# Allegro board RK3576_Template_LP5D315P132SD8_25x36_2400MHz_H1R0_V11_20240530YWQ.brd
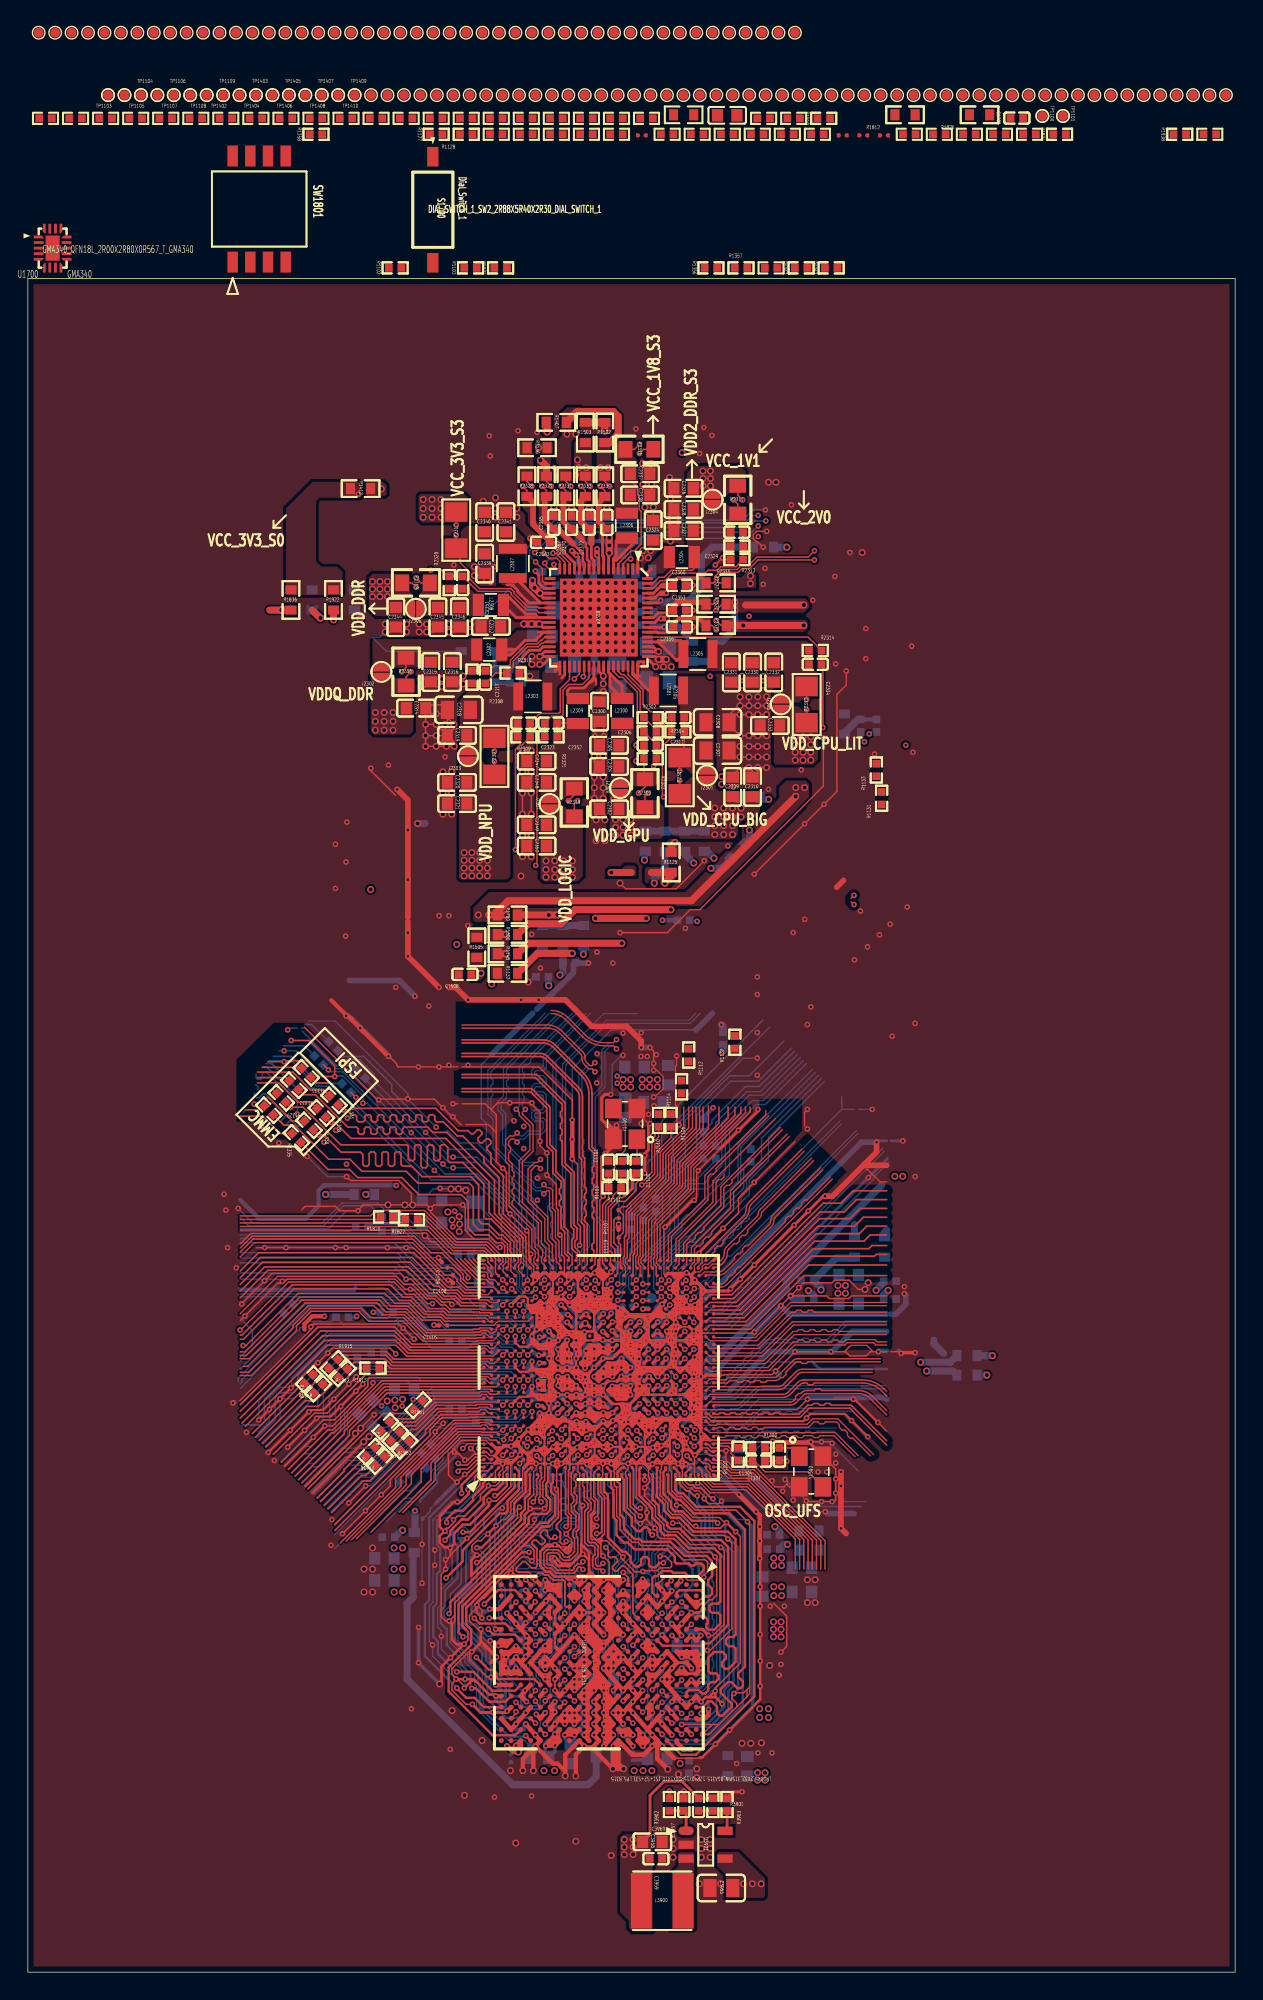
[diagram p0: board, top side]
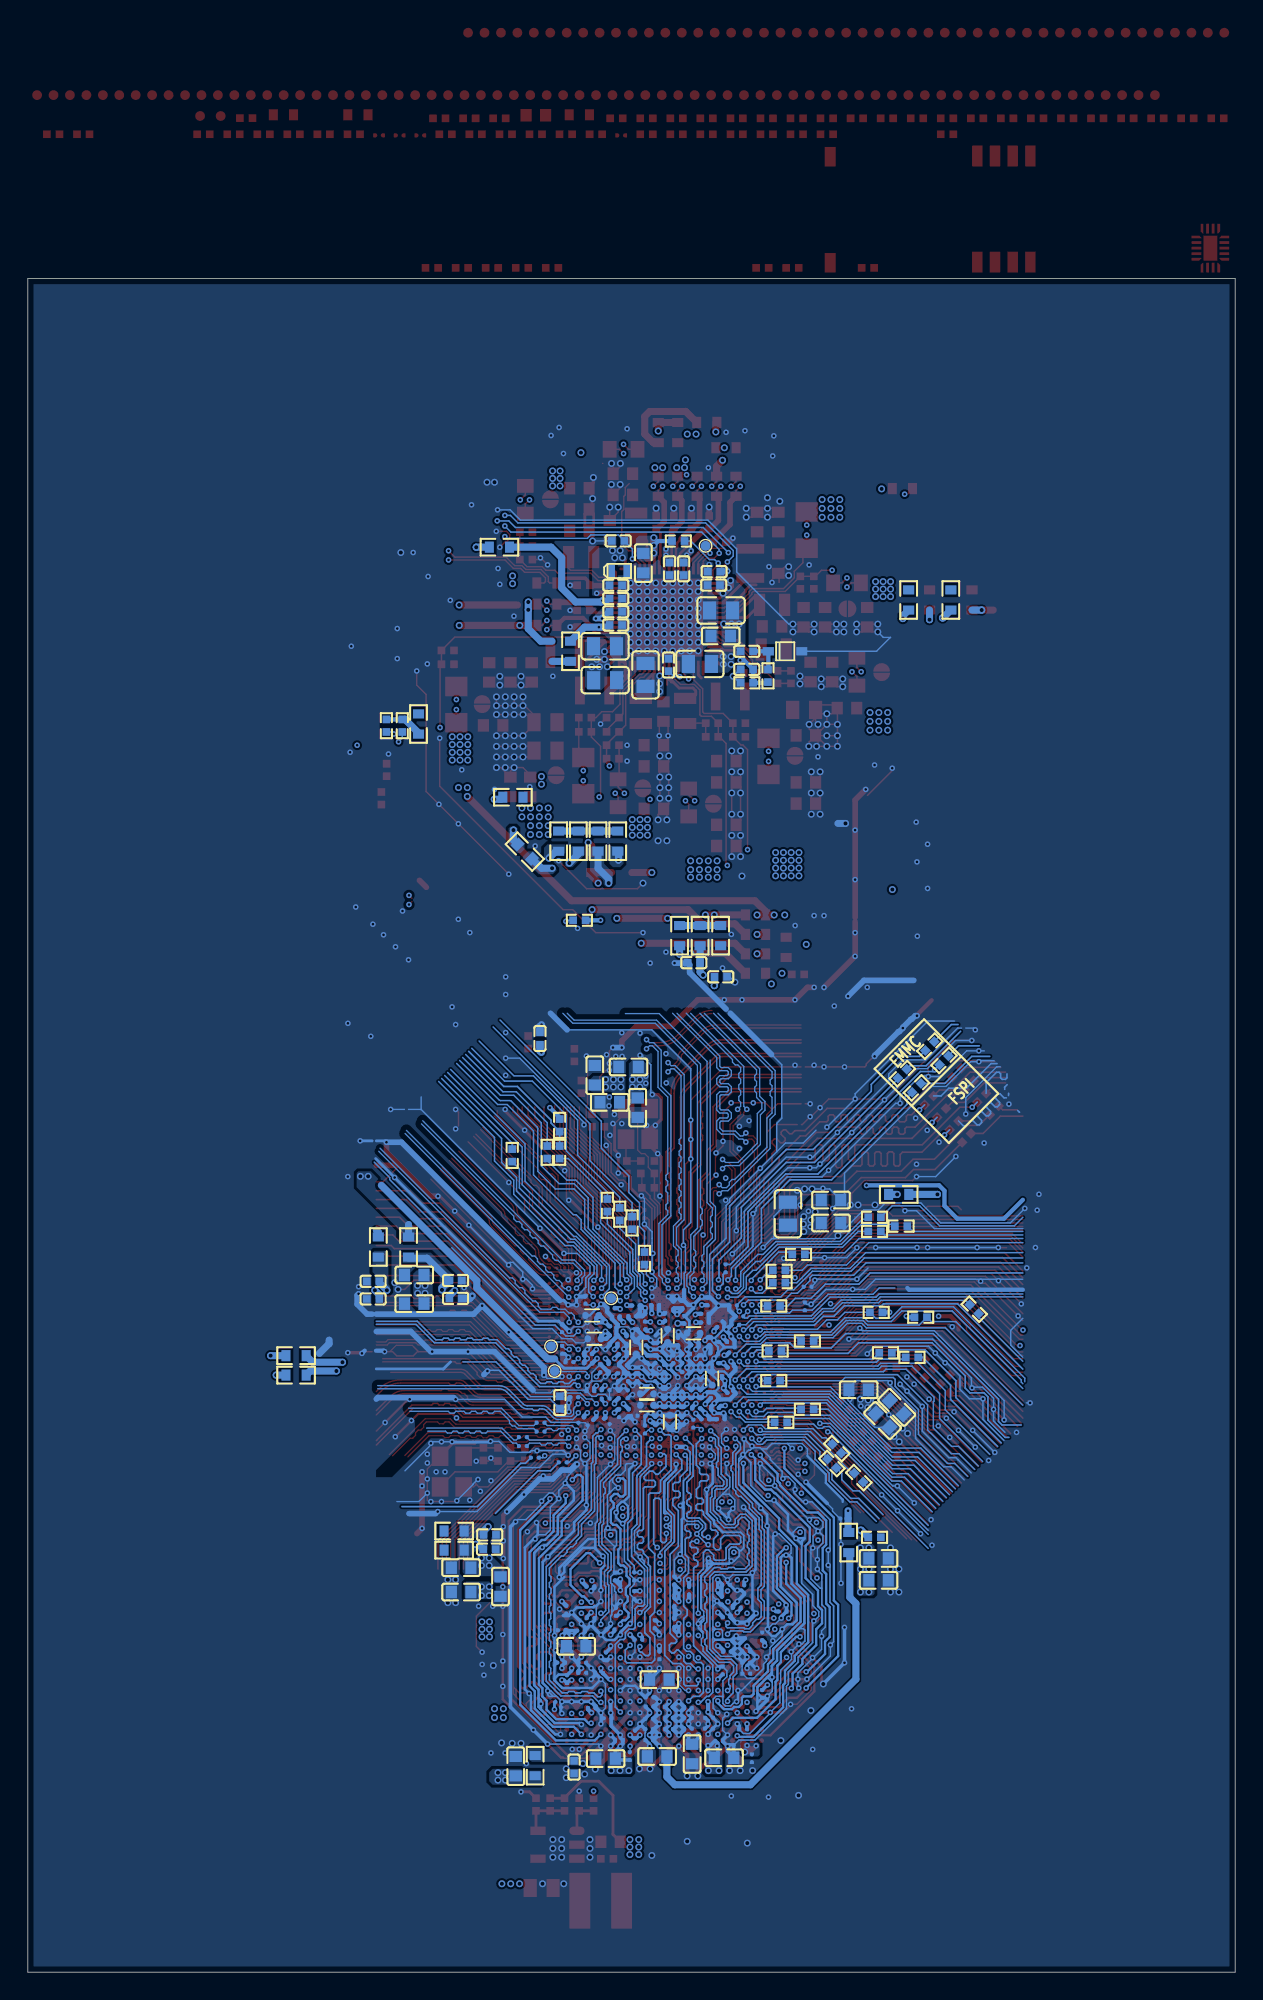
[diagram p1: board, bottom side, seen from below]

Outline 86.74 x 121.67 mm; copper layers: TOP, L2-GND, L3-POWER, L4-SIG, L5-GND, L6-SIG, L7-GND, BOTTOM. Coordinates in mm from the lower left corner of the outline.
Outline path: 0,121.67 0,0 86.74,0 86.74,121.67 0,121.67

## Design rules (mm)
net group AP627XP_PCIE_RX: nets WIFI_PCIE0_TXN WIFI_PCIE0_TXP
net group AP627XP_PCIE_TX: nets WIFI_PCIE0_RXN WIFI_PCIE0_RXP
net group AP627XP_REFCLK: nets WIFI_PCIE0_REFCLKN WIFI_PCIE0_REFCLKP
net group CLK0: nets PCIE1_REFCLKN PCIE1_REFCLKP
net group CON0_TX0_CLK: nets MIPI_DPHY_DSI_TX_CLKN MIPI_DPHY_DSI_TX_CLKP
net group CON0_TX0_D0: nets MIPI_DPHY_DSI_TX_D0N MIPI_DPHY_DSI_TX_D0P
net group CON0_TX0_D1: nets MIPI_DPHY_DSI_TX_D1N MIPI_DPHY_DSI_TX_D1P
net group CON0_TX0_D2: nets MIPI_DPHY_DSI_TX_D2N MIPI_DPHY_DSI_TX_D2P
net group CON0_TX0_D3: nets MIPI_DPHY_DSI_TX_D3N MIPI_DPHY_DSI_TX_D3P
net group DP_AUX: nets DP_TX_AUXN DP_TX_AUXP
net group EMMC_CMD: nets EMMC_CMD FSPI0_RSTN/EMMC_CMD
net group EMMC_D0: nets EMMC_D0 FSPI0_D0/EMMC_D0
net group EMMC_D1: nets EMMC_D1 FSPI0_D1/EMMC_D1
net group EMMC_D2: nets EMMC_D2 FSPI0_D2/EMMC_D2
net group EMMC_D3: nets EMMC_D3 FSPI0_D3/EMMC_D3
net group EMMC_D4: nets EMMC_D4 FSPI0_D4/EMMC_D4
net group EMMC_D5: nets EMMC_D5 FSPI0_D5/EMMC_D5
net group EMMC_D6: nets EMMC_D6 FSPI0_D6/EMMC_D6
net group EMMC_D7: nets EMMC_D7 FSPI0_D7/EMMC_D7
net group EMMC_DATA_STROBE: nets EMMC_DATA_STROBE FSPI0_DQS/EMMC_STRB
net group EMMC_RSTN: nets EMMC_RSTN FSPI0_CSN0/EMMC_RSTN
net group GMAC0_TXCLK_M0: nets GMAC0_TXCLK_M0 GPIO3_B6_D
net group GMAC0_TXCTL_M0: nets GMAC0_TXCTL_M0 GPIO3_B3_D
net group GMAC0_TXD0_M0: nets GMAC0_TXD0_M0 GPIO3_B5_D
net group GMAC0_TXD1_M0: nets GMAC0_TXD1_M0 GPIO3_B4_D
net group GMAC0_TXD2_M0: nets GMAC0_TXD2_M0 GPIO3_C3_D
net group GMAC0_TXD3_M0: nets GMAC0_TXD3_M0 GPIO3_C2_D
net group GMAC1_TXCLK_M0: nets GMAC1_TXCLK_M0 GPIO2_C5_D
net group GMAC1_TXCTL_M0: nets GMAC1_TXCTL_M0 GPIO2_D0_D
net group GMAC1_TXD0_M0: nets GMAC1_TXD0_M0 GPIO2_C6_D
net group GMAC1_TXD1_M0: nets GMAC1_TXD1_M0 GPIO2_C7_D
net group GMAC1_TXD2_M0: nets GMAC1_TXD2_M0 GPIO2_C3_D
net group GMAC1_TXD3_M0: nets GMAC1_TXD3_M0 GPIO2_C4_D
net group HDMI_TX0: nets HDMI_TX_D0N HDMI_TX_D0P
net group HDMI_TX1: nets HDMI_TX_D1N HDMI_TX_D1P
net group HDMI_TX2: nets HDMI_TX_D2N HDMI_TX_D2P
net group HDMI_TX3: nets HDMI_TX_D3N HDMI_TX_D3P
net group HDMITX_SBD: nets HDMI_TX_SBDN HDMI_TX_SBDP
net group LPDDR4_CLK_A: nets LPDDR5_CLKN_A LPDDR5_CLKP_A
net group LPDDR4_CLK_B: nets LPDDR5_CLKN_B LPDDR5_CLKP_B
net group LPDDR4_DQS0_A: nets LPDDR5_RDQS0N_A LPDDR5_RDQS0P_A
net group LPDDR4_DQS0_B: nets LPDDR5_RDQS0N_B LPDDR5_RDQS0P_B
net group LPDDR4_DQS1_A: nets LPDDR5_RDQS1N_A LPDDR5_RDQS1P_A
net group LPDDR4_DQS1_B: nets LPDDR5_RDQS1N_B LPDDR5_RDQS1P_B
net group LPDDR5_A_WCK0: nets LPDDR5_WCK0N_A LPDDR5_WCK0P_A
net group LPDDR5_A_WCK1: nets LPDDR5_WCK1N_A LPDDR5_WCK1P_A
net group LPDDR5_B_WCK0: nets LPDDR5_WCK0N_B LPDDR5_WCK0P_B
net group LPDDR5_B_WCK1: nets LPDDR5_WCK1N_B LPDDR5_WCK1P_B
net group M_DPHY_RX: nets MIPI_DPHY_CSI0_RX_D1P/MIPI_CPHY_CSI_RX_TRIO1_A MIPI_DPHY_CSI0_RX_D3P/NO_USE
net group M_MIPI_CPHY_RX_TRIO_A: nets MIPI_DPHY_CSI0_RX_D0N/MIPI_CPHY_CSI_RX_TRIO0_A MIPI_DPHY_CSI0_RX_D0P/MIPI_CPHY_CSI_RX_TRIO0_B
net group MIPI_CSI2_CLK1: nets MIPI_DPHY_CSI2_RX_CLKN MIPI_DPHY_CSI2_RX_CLKP
net group MIPI_CSI3/4_D2: nets MIPI_DPHY_CSI3_RX_D2N/MIPI_DPHY_CSI4_RX_D0N MIPI_DPHY_CSI3_RX_D2P/MIPI_DPHY_CSI4_RX_D0P
net group MIPI_CSI3/4_D3: nets MIPI_DPHY_CSI3_RX_D3N/MIPI_DPHY_CSI4_RX_D1N MIPI_DPHY_CSI3_RX_D3P/MIPI_DPHY_CSI4_RX_D1P
net group MIPI_CSI3_CLK: nets MIPI_DPHY_CSI3_RX_CLKN MIPI_DPHY_CSI3_RX_CLKP
net group MIPI_CSI3_D0: nets MIPI_DPHY_CSI3_RX_D0N MIPI_DPHY_CSI3_RX_D0P
net group MIPI_CSI3_D1: nets MIPI_DPHY_CSI3_RX_D1N MIPI_DPHY_CSI3_RX_D1P
net group MIPI_CSI4_CLK: nets MIPI_DPHY_CSI4_RX_CLKN MIPI_DPHY_CSI4_RX_CLKP
net group PCIE21_1_RX: nets PCIE1_RXN PCIE1_RXP
net group PCIE21_1_RX/USB3_HOST1_SSRX: nets PCIE1_RXN/USB3_HOST1_SSRXN PCIE1_RXP/USB3_HOST1_SSRXP
net group PCIE21_1_TX: nets PCIE1_TXN PCIE1_TXP
net group PCIE21_1_TX/USB3_HOST1_SSTX: nets PCIE1_TXN/USB3_HOST1_SSTXN PCIE1_TXP/USB3_HOST1_SSTXP
net group SDMMC0_CMD: nets SDMMC0_CMD SDMMC0_CMD/UART5_RX_M2/I2C5_SDA_M0
net group SDMMC0_D0: nets SDMMC0_D0 SDMMC0_D0/CAN0_RX_M0
net group SDMMC0_D1: nets SDMMC0_D1 SDMMC0_D1/CAN0_TX_M0
net group SDMMC0_D2: nets SDMMC0_D2 SDMMC0_D2/JTAG_TCK_M0
net group SDMMC0_D3: nets SDMMC0_D3 SDMMC0_D3/JTAG_TMS_M0
net group TYPEC0_D: nets USB2_OTG0_DM USB2_OTG0_DP
net group TYPEC_RX1: nets USB3_OTG0_SSRX1N/DP_TX_D0N USB3_OTG0_SSRX1P/DP_TX_D0P
net group TYPEC_RX2: nets USB3_OTG0_SSRX2N/DP_TX_D2N USB3_OTG0_SSRX2P/DP_TX_D2P
net group TYPEC_TX1: nets USB3_OTG0_SSTX1N/DP_TX_D1N USB3_OTG0_SSTX1P/DP_TX_D1P
net group TYPEC_TX2: nets USB3_OTG0_SSTX2N/DP_TX_D3N USB3_OTG0_SSTX2P/DP_TX_D3P
net group UFS_RX0N: nets UFS_RX0N UFS_RX_D0N
net group UFS_RX0P: nets UFS_RX0P UFS_RX_D0P
net group UFS_RX1N: nets UFS_RX1N UFS_RX_D1N
net group UFS_RX1P: nets UFS_RX1P UFS_RX_D1P
net group UFS_TX0N: nets UFS_TX0N UFS_TX_D0N
net group UFS_TX0P: nets UFS_TX0P UFS_TX_D0P
net group UFS_TX1N: nets UFS_TX1N UFS_TX_D1N
net group UFS_TX1P: nets UFS_TX1P UFS_TX_D1P
net group USB20_OTG1_D: nets USB2_HOST1_DM USB2_HOST1_DP
net group USB30_HOST_SSRX: nets USB3_HOST1_SSRXN USB3_HOST1_SSRXP
net group USB30_HOST_SSTX: nets USB3_HOST1_SSTXN USB3_HOST1_SSTXP
net group VCCIO0_1V8: nets VCC_1V8_S0 VCCIO0_1V8
net group 50OHM: nets GMAC0_MDC_M0 GMAC0_MDIO_M0 GMAC0_RSTN GMAC0_RXCLK_M0 GMAC0_RXCTL_M0 GMAC0_RXD0_M0 GMAC0_RXD1_M0 GMAC0_RXD2_M0 GMAC0_RXD3_M0 GMAC1_MDC_M0 GMAC1_MDIO_M0 GMAC1_RSTN GMAC1_RXCLK_M0 GMAC1_RXCTL_M0 GMAC1_RXD0_M0 GMAC1_RXD1_M0 GMAC1_RXD2_M0 GMAC1_RXD3_M0 SDMMC0_DET_L UFS_REFCLK UFS_RSTN UFS_SOC_REFCLK UFS_SOC_RSTN
net group CSI1: nets MIPI_DPHY_CSI1_RX_CLKN MIPI_DPHY_CSI1_RX_CLKP MIPI_DPHY_CSI1_RX_D0N MIPI_DPHY_CSI1_RX_D0P MIPI_DPHY_CSI1_RX_D1N MIPI_DPHY_CSI1_RX_D1P MIPI_DPHY_CSI1_RX_D2N/MIPI_DPHY_CSI2_RX_D0N MIPI_DPHY_CSI1_RX_D2P/MIPI_DPHY_CSI2_RX_D0P MIPI_DPHY_CSI1_RX_D3N/MIPI_DPHY_CSI2_RX_D1N MIPI_DPHY_CSI1_RX_D3P/MIPI_DPHY_CSI2_RX_D1P
net group DDR_CA: nets LPDDR5_RESET
net group EMMC_CLKOUT: nets EMMC_CLKOUT FSPI0_CLK/EMMC_CLK N19625800
net group M_DDR_A_CA: nets LPDDR5_A0_A LPDDR5_A1_A LPDDR5_A2_A LPDDR5_A3_A LPDDR5_A4_A LPDDR5_A5_A LPDDR5_A6_A LPDDR5_CS0_A LPDDR5_CS1_A
net group M_DDR_A_DATA0_W: nets LPDDR5_DMI0_A LPDDR5_DQ0_A LPDDR5_DQ1_A LPDDR5_DQ2_A LPDDR5_DQ3_A LPDDR5_DQ4_A LPDDR5_DQ5_A LPDDR5_DQ6_A LPDDR5_DQ7_A
net group M_DDR_A_DATA1_W: nets LPDDR5_DMI1_A LPDDR5_DQ8_A LPDDR5_DQ9_A LPDDR5_DQ10_A LPDDR5_DQ11_A LPDDR5_DQ12_A LPDDR5_DQ13_A LPDDR5_DQ14_A LPDDR5_DQ15_A
net group M_DDR_B_CA: nets LPDDR5_A0_B LPDDR5_A1_B LPDDR5_A2_B LPDDR5_A3_B LPDDR5_A4_B LPDDR5_A5_B LPDDR5_A6_B LPDDR5_CS0_B LPDDR5_CS1_B
net group M_DDR_B_DATA0_W: nets LPDDR5_DMI0_B LPDDR5_DQ0_B LPDDR5_DQ1_B LPDDR5_DQ2_B LPDDR5_DQ3_B LPDDR5_DQ4_B LPDDR5_DQ5_B LPDDR5_DQ6_B LPDDR5_DQ7_B
net group M_DDR_B_DATA1_W: nets LPDDR5_DMI1_B LPDDR5_DQ8_B LPDDR5_DQ9_B LPDDR5_DQ10_B LPDDR5_DQ11_B LPDDR5_DQ12_B LPDDR5_DQ13_B LPDDR5_DQ14_B LPDDR5_DQ15_B
net group M_MIPI_CPHY_RX_TRIO_1: nets MIPI_DPHY_CSI0_RX_CLKN/MIPI_CPHY_CSI_RX_TRIO1_B MIPI_DPHY_CSI0_RX_CLKP/MIPI_CPHY_CSI_RX_TRIO1_C MIPI_DPHY_CSI0_RX_D1N/MIPI_CPHY_CSI_RX_TRIO0_C
net group M_MIPI_CPHY_RX_TRIO_2: nets MIPI_DPHY_CSI0_RX_D2N/MIPI_CPHY_CSI_RX_TRIO2_A MIPI_DPHY_CSI0_RX_D2P/MIPI_CPHY_CSI_RX_TRIO2_B MIPI_DPHY_CSI0_RX_D3N/MIPI_CPHY_CSI_RX_TRIO2_C
net group SDMMC0_CLK: nets N19625788 SDMMC0_CLK SDMMC0_CLK/UART5_TX_M2/I2C5_SCL_M0
net group VCCIO1: nets VCCIO1

## Placement (name value [footprint] x y rotation side)
C1000  100nF  [C0201]  43.98 43.6 0 bottom
C1001  100nF  [C0201]  41.66 44.05 90 bottom
C1002  1uF  [C0201]  41.67 42.74 270 bottom
C1003  1uF  [C0201]  41.02 42.18 270 bottom
C1004  1uF  [C0201]  41.02 43.37 90 bottom
C1005  1uF  [C0201]  42.26 44.05 90 bottom
C1006  10uF  [C0402_BGA]  43.03 44.87 90 bottom
C1007  22uF  [C0603]  46.01 64.43 90 bottom
C1008  NC/22uF  [C0603]  44.93 62.48 0 bottom
C1009  100nF  [C0201]  43.64 41.51 90 bottom
C1010  1uF  [C0201]  43.62 42.74 90 bottom
C1011  1uF  [C0201]  42.97 42.74 90 bottom
C1012  10uF  [C0402_BGA]  42.26 41.54 180 bottom
C1013  22uF  [C0603]  58.98 48.02 0 bottom
C1014  NC/22uF  [C0603]  58.98 50.08 0 bottom
C1015  100nF  [C0201]  40.37 44.03 270 bottom
C1016  100nF  [C0201]  39.44 43.76 180 bottom
C1017  1uF  [C0201]  39.45 44.41 180 bottom
C1018  1uF  [C0201]  40.03 45.3 90 bottom
C1020  10uF  [C0402_BGA]  40.77 45.71 90 bottom
C1021  22uF  [C0603]  42.93 62.1 270 bottom
C1022  22uF  [C0603]  43.58 65.02 0 bottom
C1023  1uF  [C0201]  42.33 45.31 90 bottom
C1024  100nF  [C0201]  39.43 43.11 180 bottom
C1026  100nF  [C0201]  38.42 42.83 90 bottom
C1027  1uF  [C0201]  38.42 41.54 270 bottom
C1028  1uF  [C0201]  39.07 41.54 270 bottom
C1029  10uF  [C0402_BGA]  37.58 42.65 90 bottom
C1030  22uF  [C0603]  25.33 39.63 225 bottom
C1031  22uF  [C0603]  27.05 41.84 0 bottom
C1032  100nF  [C0201]  37.77 45.33 90 bottom
C1033  100nF  [C0201]  38.81 45.06 0 bottom
C1034  1uF  [C0201]  37.43 44.47 180 bottom
C1035  1uF  [C0201]  38.42 44.04 270 bottom
C1036  10uF  [C0402_BGA]  38.92 45.89 0 bottom
C1037  22uF  [C0603]  29.04 53.82 180 bottom
C1038  22uF  [C0603]  29.04 55.47 180 bottom
C1039  22uF  [C0603]  24.32 40.57 225 bottom
C1040  47uF  [C0805]  32.13 54.48 90 bottom
C1100  18pF  [C0402]  43.7 57.82 270 top
C1101  18pF  [C0402]  41.73 57.82 90 top
C1102  100nF  [C0201]  42.65 46.17 0 bottom
C1103  100nF  [C0201]  43.31 47.12 180 bottom
C1104  100nF  [C0201]  40.96 47.08 90 bottom
C1105  100nF  [C0201]  41.67 47.91 180 bottom
C1106  100nF  [C0201]  43.05 47.89 180 bottom
C1107  100nF  [C0201]  43.58 40.15 270 bottom
C1108  1nF  [C0201]  30.53 49.79 270 top
C1109  1nF  [C0201]  29.95 50.81 135 top
C1110  1nF  [C0201]  30.92 47.83 90 bottom
C1111  1nF  [C0201]  35.62 47.11 0 bottom
C1112  1nF  [C0201]  35.92 46.51 0 bottom
C1113  1nF  [C0201]  36.08 47.9 0 bottom
C1114  1nF  [C0201]  30.72 49.23 180 bottom
C1115  1nF  [C0201]  29.84 46.46 180 top
C1116  100nF  [C0201]  36.79 45.27 0 bottom
C1117  100nF  [C0201]  42.4 47.03 90 bottom
C1118  100nF  [C0201]  43.73 45.4 270 bottom
C1119  100nF  [C0201]  42.44 53.06 90 top
C1200  100nF  [C0201]  41.67 39.63 270 bottom
C1201  1uF  [C0201]  39.75 39.59 270 bottom
C1202  1uF  [C0201]  42.66 39.97 0 bottom
C1203  10uF  [C0402_BGA]  40.61 39.53 270 bottom
C1204  22uF  [C0603]  25.62 28.15 180 bottom
C1205  22uF  [C0603]  25.62 29.72 180 bottom
C1206  100nF  [C0201]  41.02 40.9 90 bottom
C1207  1uF  [C0201]  39.72 40.89 90 bottom
C1208  1uF  [C0201]  40.37 40.89 90 bottom
C1209  10uF  [C0402_BGA]  42.26 40.73 0 bottom
C1210  22uF  [C0603]  52.78 27.7 270 bottom
C1211  22uF  [C0603]  55.61 29.06 0 bottom
C1212  1uF  [C0201]  38.06 39.73 180 bottom
C1213  1uF  [C0201]  38.73 40.5 180 bottom
C1214  1uF  [C0201]  37.39 41.25 180 bottom
C1300  100nF  [C0201]  44.3 41.51 90 bottom
C1301  18pF  [C0402]  54.01 37.21 270 top
C1302  1uF  [C0201]  45.14 39.57 225 bottom
C1303  1uF  [C0402]  53.56 31.41 180 bottom
C1304  18pF  [C0402]  52.51 36.72 0 top
C1305  1uF  [C0201]  46.32 39.48 315 bottom
C1306  1uF  [C0402]  53.57 30.39 180 bottom
C1307  100nF  [C0201]  44.26 40.15 270 bottom
C1308  1uF  [C0201]  37.92 48.19 90 bottom
C1309  100nF  [C0201]  36.16 44.7 135 bottom
C1400  1uF  [C0201]  44.33 42.74 270 bottom
C1401  NC/1uF  [C0402]  56.01 49.69 180 bottom
C1402  1uF  [C0201]  45.23 41.81 180 bottom
C1403  NC/1uF  [C0402]  61.93 48.36 0 bottom
C1404  100nF  [C0402]  48.51 40.92 270 bottom
C1405  100nF  [C0201]  45.62 43.39 90 bottom
C1406  100nF  [C0201]  46.33 41.75 0 bottom
C1407  NC/1uF  [C0402]  61.93 49.63 0 bottom
C1408  100nF  [C0201]  46.49 43.74 0 bottom
C1409  100nF  [C0201]  48.36 46.25 90 bottom
C1500  100nF  [C0201]  44.5 47.09 0 bottom
C1501  1uF  [C0402]  49.95 67.07 90 bottom
C1502  1uF  [C0201]  44.84 47.71 0 bottom
C1503  1uF  [C0201]  45.01 43.41 270 bottom
C1504  1uF  [C0201]  43.98 44.38 180 bottom
C1505  1uF  [C0402]  56.01 48.4 180 bottom
C1506  1uF  [C0201]  44.66 45.14 0 bottom
C1507  100nF  [C0201]  38.09 46.66 180 bottom
C1508  1uF  [C0402]  31.41 71.68 180 top
C1509  1uF  [C0201]  46.49 44.41 0 bottom
C1510  1uF  [C0201]  38.09 47.29 180 bottom
C1600  1uF  [C0201]  44.63 46.4 180 bottom
C1601  4.7uF  [C0402_BGA]  46.2 47.17 0 bottom
C1602  1uF  [C0201]  44.66 45.75 180 bottom
C1603  4.7uF  [C0402_BGA]  46.03 45.5 0 bottom
C1700  1uF  [C0201]  39.57 46.86 90 bottom
C1701  100nF  [C0201]  40.36 47.92 90 bottom
C1702  4.7uF  [C0402]  36.96 71.5 180 bottom
C1703  1uF  [C0201]  39.73 47.97 90 bottom
C1704  4.7uF  [C0402]  38.89 72.52 0 bottom
C1705  100nF  [C0402]  71.06 133.19 0 top
C1706  10uF  [C0603]  50.24 133.39 0 top
C1800  100nF  [C0201]  37.37 40.53 0 bottom
C1801  100nF  [C0201]  37.02 46.54 135 bottom
C1802  100nF  [C0201]  45.23 41.21 180 bottom
C1900  NC/100nF  [C0201]  36.18 43.43 180 bottom
C1901  1uF  [C0201]  37.42 43.75 0 bottom
C1902  NC/100nF  [C0201]  36.59 42.82 180 bottom
C1903  1uF  [C0201]  36.2 41.62 180 bottom
C2300  10uF  [C0603]  41.08 90.55 270 top
C2301  22uF  [C0805]  45.26 92.81 180 bottom
C2302  NC/22uF  [C0603]  41.76 83.56 180 top
C2304  NC/22uF  [C0603]  41.76 86.61 180 top
C2305  NC/22uF  [C0603]  41.76 88.14 180 top
C2306  NC/1uF  [C0402]  44.71 88.14 0 top
C2307  47uF  [C0805]  49.55 87.76 0 top
C2308  47uF  [C0805]  49.55 89.79 0 top
C2309  NC/22uF  [C0603]  50.64 85.14 90 top
C2310  NC/22uF  [C0603]  52.07 85.14 90 top
C2311  1uF  [C0402]  46.71 90.12 180 top
C2312  10uF  [C0603]  33.27 96.67 180 top
C2313  22uF  [C0805]  38.46 93.98 0 bottom
C2314  NC/10uF  [C0603]  27.89 90.8 0 top
C2315  22uF  [C0603]  28.95 93.39 270 top
C2316  22uF  [C0603]  30.5 93.39 270 top
C2317  100pF  [C0402]  32.87 93.03 270 top
C2318  NC/47uF  [C0805]  30.97 90.68 180 top
C2319  NC/22uF  [C0603]  30.84 88.85 180 top
C2320  NC/22uF  [C0603]  30.84 85.47 180 top
C2321  NC/22uF  [C0603]  30.84 83.95 180 top
C2323  NC/1uF  [C0402]  35.64 89.73 0 top
C2324  10uF  [C0603]  44.93 103.58 90 top
C2325  22uF  [C0805]  45.27 95.25 180 bottom
C2326  NC/10uF  [C0603]  47.11 106.6 180 top
C2327  22uF  [C0603]  47.11 103.55 180 top
C2328  22uF  [C0603]  47.11 105.08 180 top
C2329  100pF  [C0402]  50.94 103.45 0 top
C2330  22uF  [C0603]  52.07 93.37 270 top
C2331  22uF  [C0603]  50.54 93.37 270 top
C2332  22uF  [C0603]  53.59 93.37 270 top
C2333  NC/22uF  [C0603]  53.31 89.56 180 top
C2334  1uF  [C0402]  56.57 93.95 0 top
C2335  10uF  [C0603]  42.52 101.22 270 bottom
C2336  22uF  [C0805]  36.93 97.82 0 bottom
C2337  22uF  [C0603]  43.99 107.64 0 top
C2338  22uF  [C0603]  43.99 106.12 0 top
C2339  22uF  [C0603]  32.82 101.19 270 top
C2340  22uF  [C0603]  32.82 104.17 90 top
C2341  22uF  [C0603]  34.35 104.17 90 top
C2342  10uF  [C0603]  36.96 95.99 0 bottom
C2343  22uF  [C0805]  42.36 93.19 90 bottom
C2344  NC/10uF  [C0603]  26.44 97.33 270 top
C2345  22uF  [C0603]  29.46 97.33 270 top
C2346  22uF  [C0603]  31.01 97.33 270 top
C2347  22uF  [C0603]  36.56 86.99 180 top
C2348  22uF  [C0603]  36.56 85.47 180 top
C2349  NC/22uF  [C0603]  36.56 82.42 180 top
C2350  NC/22uF  [C0603]  36.56 80.9 180 top
C2351  1uF  [C0402]  31.24 99.82 90 top
C2352  1uF  [C0402]  37.59 89.73 180 top
C2353  2.2uF  [C0402]  46.82 97.83 0 top
C2354  1uF  [C0402]  44.5 97.73 180 bottom
C2355  2.2uF  [C0402]  44.5 96.77 180 bottom
C2356  2.2uF  [C0402]  46.82 96.64 0 top
C2357  1uF  [C0402]  37.44 100.61 0 bottom
C2358  2.2uF  [C0402]  44.5 98.68 180 bottom
C2359  1uF  [C0402]  44.5 99.63 180 bottom
C2360  2.2uF  [C0402]  46.82 99.63 0 top
C2361  4.7uF  [C0402]  35.08 94.89 180 bottom
C2362  1uF  [C0402]  37.46 99.64 0 bottom
C2363  2.2uF  [C0402]  37.05 102.71 180 top
C2364  1uF  [C0402]  39.62 100.81 270 bottom
C2365  2.2uF  [C0402]  37.79 104.15 90 top
C2366  10nF  [C0402]  40.71 93.9 90 bottom
C2367  2.2uF  [C0402]  39.06 104.15 90 top
C2368  1nF  [C0402]  35.08 93.59 0 bottom
C2369  100nF  [C0402]  44.33 102.82 0 bottom
C2370  2.2uF  [C0402]  40.33 104.15 90 top
C2371  1uF  [C0402]  40.64 100.81 270 bottom
C2372  2.2uF  [C0402]  41.6 104.15 90 top
C3900  NC/1nF  [C0201]  43.17 28.43 270 bottom
C3901  NC/1uF  [C0201]  28.09 32.59 0 bottom
C3902  4.7uF  [C0402]  47.5 14.73 270 bottom
C3903  1uF  [C0201]  46.32 27.7 180 bottom
C3904  100nF  [C0201]  34.72 15.37 270 bottom
C3905  1uF  [C0201]  35.27 27.51 270 bottom
C3906  22uF  [C0603]  45.23 15.34 0 bottom
C3907  10uF  [C0603]  55.61 27.3 0 bottom
C3908  10uF  [C0603]  36.72 15.4 180 bottom
C3909  100nF  [C0201]  46.22 18.97 180 bottom
C3910  100nF  [C0201]  44.87 24.61 0 bottom
C3911  NC/100nF  [C0201]  44.27 16.67 0 bottom
C3912  100nF  [C0201]  44.49 25.88 90 bottom
C3913  100nF  [C0201]  36.88 26.69 270 bottom
C3914  100nF  [C0201]  48.64 19.22 225 bottom
C3915  100nF  [C0201]  48.06 26.04 270 bottom
C3916  100nF  [C0201]  36.53 25.5 180 bottom
C3917  NC/100nF  [C0201]  37.8 17.5 0 bottom
C3918  100nF  [C0201]  35.36 17.44 0 bottom
C3919  100nF  [C0201]  37.8 18.27 0 bottom
C3920  100nF  [C0201]  45.08 18.24 0 bottom
C3921  100nF  [C0201]  32.51 25.91 180 bottom
C3922  100nF  [C0201]  46.3 25.43 180 bottom
C3923  100nF  [C0201]  44.57 28.42 90 bottom
C3924  100nF  [C0201]  36.58 27.81 180 bottom
C3925  100nF  [C0201]  35.81 26.19 0 bottom
C3926  22uF  [C0603]  41.37 21.01 0 bottom
C3927  10uF  [C0603]  41.53 15.49 0 bottom
C3928  10uF  [C0603]  47.35 23.41 180 bottom
C3929  1uF  [C0201]  42.09 16.67 0 bottom
C3930  100nF  [C0201]  41.36 22.76 270 bottom
C3931  100nF  [C0201]  35.13 22.23 0 bottom
C3932  NC/100nF  [C0201]  42.06 19.74 0 bottom
C3933  100nF  [C0201]  41.7 24.99 270 bottom
C3934  100nF  [C0201]  39.32 17.5 180 bottom
C3935  100nF  [C0201]  42.88 23.88 0 bottom
C3936  NC/100nF  [C0201]  39.32 18.27 180 bottom
C3937  NC/100nF  [C0201]  42.09 18.2 0 bottom
C3938  100nF  [C0201]  48.42 22.24 0 bottom
C3939  NC/100nF  [C0201]  39.32 18.96 180 bottom
C3940  NC/100nF  [C0201]  42.09 17.46 0 bottom
C3941  100nF  [C0201]  40.69 19.06 0 bottom
C3942  100nF  [C0201]  45.2 22.68 270 bottom
C3943  100nF  [C0201]  40.67 17.46 0 bottom
C3944  100nF  [C0201]  36.5 23.03 180 bottom
C3945  100nF  [C0201]  40.29 28.13 90 bottom
C3946  NC/100nF  [C0201]  40.29 26.58 270 bottom
C3947  100nF  [C0201]  35.13 23.03 0 bottom
C3948  100nF  [C0201]  40.29 25.08 90 bottom
C3949  100nF  [C0201]  35.13 21.45 0 bottom
C3950  100nF  [C0201]  46.91 22.23 180 bottom
C3951  100nF  [C0201]  45.69 21.46 0 bottom
C3952  100nF  [C0201]  42.06 19.08 0 bottom
C3953  NC/100nF  [C0201]  40.67 18.27 0 bottom
C3954  100nF  [C0201]  36.82 21.68 90 bottom
C3955  NC/100nF  [C0201]  46.91 21.51 180 bottom
C3956  10uF  [C0805]  49.83 6.04 180 top
C3957  100pF  [C0402]  48.18 12.04 270 top
C3958  10uF  [C0603]  44.87 9.36 0 top
C3959  100nF  [C0402]  45.13 8.15 0 top
C3960  22uF  [C0603]  39.01 15.67 270 bottom
C3961  1uF  [C0201]  43.11 17.07 90 bottom
C3962  100nF  [C0201]  48.01 21.05 90 bottom
C3963  NC/100nF  [C0201]  48.37 24.56 0 bottom
C3964  100nF  [C0201]  46.99 24.54 180 bottom
C3965  100nF  [C0201]  39.23 27.41 90 bottom
C3966  100nF  [C0201]  43.17 27.08 270 bottom
C3967  100nF  [C0201]  33.98 19.98 270 bottom
C3968  100nF  [C0201]  33.98 24.12 90 bottom
C3969  NC/10nF  [C0402]  47.13 12.04 90 top
C3970  10uF  [C0603]  51.69 14.8 90 bottom
D2300  PSUR1610DNV07  [ESD0603]  44.25 100.66 180 bottom
D2301  B5819WS  [SOD_323]  32.34 94.89 0 bottom
J2300  JM  [OPEN]  42.56 85.04 0 top
J2301  JM  [OPEN]  48.79 85.99 180 top
J2302  JM  [OPEN]  25.4 93.39 0 top
J2303  JM  [OPEN]  31.62 87.38 180 top
J2304  JM  [OPEN]  49.2 105.8 180 top
J2305  JM  [OPEN]  54.1 91.09 180 top
J2306  JM  [OPEN]  27.86 97.94 270 top
J2307  JM  [OPEN]  37.49 83.93 180 top
L2300  0.47uH  [IND_201610]  42.7 90.6 90 top
L2301  0.24uH  [IND_252012]  46.03 92.07 0 top
L2302  0.47uH  [IND_201610]  33.15 95.01 0 top
L2303  0.24uH  [IND_252012]  36.28 91.64 180 top
L2304  0.47uH  [IND_201610]  46.99 101.66 180 top
L2305  0.24uH  [IND_252012]  48.15 94.69 0 top
L2306  0.47uH  [IND_201610]  43.03 103.91 270 top
L2307  0.24uH  [IND_252012]  34.84 101.2 90 top
L2308  0.47uH  [IND_201610]  33.27 98.22 0 top
L2309  0.47uH  [IND_201610]  39.52 90.6 270 top
L3900  2.2uH  [IND_404026]  45.58 5.13 180 top